# Altium PCB LKS_Motor_0313.PcbDoc (part 2 of 4) (continued)
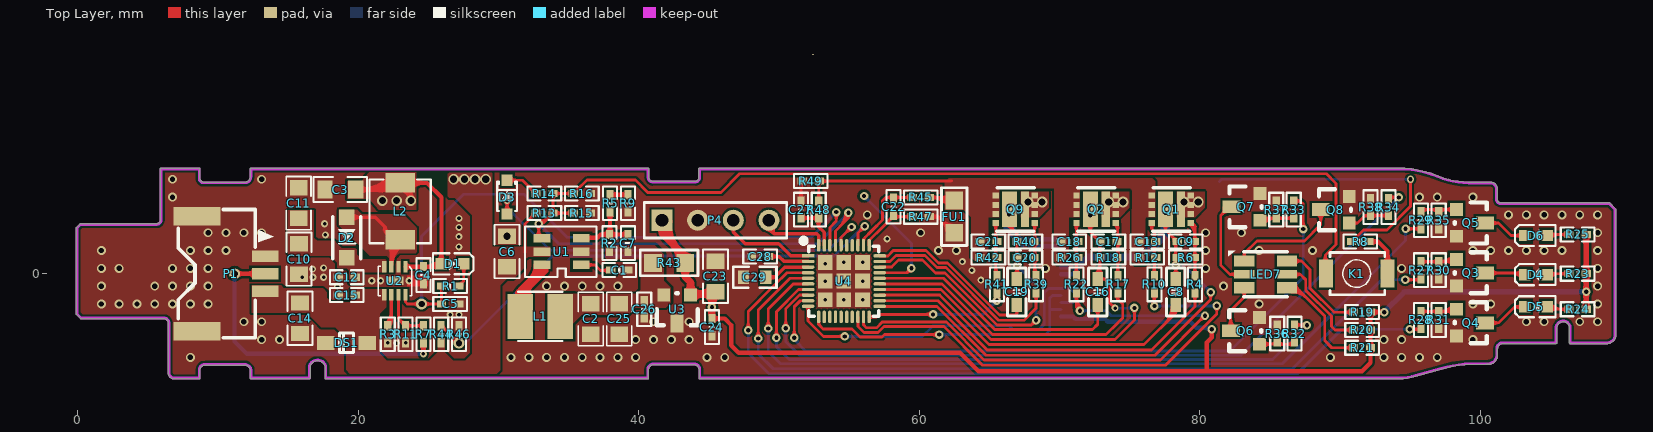
[diagram p0: Top Layer view]
## Nets (pads, with @x,y where several pads share a name; then routed paths per layer and width w, separated by ;. In a path a pad name is that pad's centre, name@x,y a point inside that pad or via, vN(x,y) a via of type N, cw(c..) or ccw(c..) an arc to the next point about the centre after c; other vN are vias at no path point) (continued)
NetC7_1: C7.1 R2.2 R5.1 U1.3 | length 10.5
  Top Layer w0.3: U1.3@35.893,2.525 35.934,2.565 36.678,2.565 ; R2.2@37.948,2.794 R5.1@37.948,4.369 ; C7.1@39.192,2.794 38.608,2.794 37.262,2.794 37.033,2.565 ; U1.3@36.299,2.419 cw(c36.653,2.065) 36.653,2.565 ; U1.3@36.299,2.419 cw(c36.653,2.065) 36.653,2.565 ; U1.3@36.299,2.419 cw(c36.653,2.065) 36.653,2.565 ; U1.3@36.299,2.419 cw(c36.653,2.065) 36.653,2.565 ; 36.678,2.565 37.033,2.565 ; 36.678,2.565 37.033,2.565 ; 37.653,2.794 ccw(c37.653,3.051) R2.2@37.834,2.869 ; 37.653,2.794 ccw(c37.653,3.051) R2.2@37.834,2.869 ; 37.653,2.794 ccw(c37.653,3.051) R2.2@37.834,2.869 ; 37.653,2.794 ccw(c37.653,3.051) R2.2@37.834,2.869 ; R2.2@37.834,2.945 ccw(c37.561,3.218) 37.948,3.218 ; R2.2@37.834,2.945 ccw(c37.561,3.218) 37.948,3.218 ; R2.2@37.834,2.945 ccw(c37.561,3.218) 37.948,3.218 ; R2.2@37.834,2.945 ccw(c37.561,3.218) 37.948,3.218 ; R2.2@37.982,2.869 ccw(c38.163,3.051) 38.163,2.794 ; R2.2@37.982,2.869 ccw(c38.163,3.051) 38.163,2.794 ; R2.2@37.982,2.869 ccw(c38.163,3.051) 38.163,2.794 ; R2.2@37.982,2.869 ccw(c38.163,3.051) 38.163,2.794 ; 38.963,2.794 ccw(c38.963,3.051) C7.1@39.144,2.869 ; 38.963,2.794 ccw(c38.963,3.051) C7.1@39.144,2.869 ; 38.963,2.794 ccw(c38.963,3.051) C7.1@39.144,2.869 ; 38.963,2.794 ccw(c38.963,3.051) C7.1@39.144,2.869
NetC9_2: C9.2 Q1.1 R4.1 R6.1 | length 23.5
  Top Layer w0.2: Q1.1@79.35,3.708 79.65,3.408 R4.1@79.65,-0.152 ; Q1.1@79.28,3.526 cw(c78.389,2.635) 79.65,2.635 ; Q1.1@79.28,3.526 cw(c78.389,2.635) 79.65,2.635 ; Q1.1@79.28,3.526 cw(c78.389,2.635) 79.65,2.635 ; Q1.1@79.28,3.526 cw(c78.389,2.635) 79.65,2.635 ; Q1.1@79.367,3.493 cw(c79.384,3.055) 79.693,3.365 ; Q1.1@79.367,3.493 cw(c79.384,3.055) 79.693,3.365 ; Q1.1@79.367,3.493 cw(c79.384,3.055) 79.693,3.365 ; Q1.1@79.367,3.493 cw(c79.384,3.055) 79.693,3.365 ; Q1.1@79.422,3.668 cw(c78.872,3.118) 79.65,3.118 ; Q1.1@79.422,3.668 cw(c78.872,3.118) 79.65,3.118 ; Q1.1@79.422,3.668 cw(c78.872,3.118) 79.65,3.118 ; Q1.1@79.422,3.668 cw(c78.872,3.118) 79.65,3.118 ; R4.1@79.541,0.033 ccw(c79.278,0.296) 79.65,0.296 ; R4.1@79.541,0.033 ccw(c79.278,0.296) 79.65,0.296 ; R4.1@79.541,0.033 ccw(c79.278,0.296) 79.65,0.296 ; R4.1@79.541,0.033 ccw(c79.278,0.296) 79.65,0.296 ; R6.1@79.571,1.034 cw(c79.381,0.844) 79.65,0.844 ; R6.1@79.571,1.034 cw(c79.381,0.844) 79.65,0.844 ; R6.1@79.571,1.034 cw(c79.381,0.844) 79.65,0.844 ; R6.1@79.571,1.034 cw(c79.381,0.844) 79.65,0.844 ; R6.1@79.571,1.252 ccw(c79.381,1.442) 79.65,1.442 ; R6.1@79.571,1.252 ccw(c79.381,1.442) 79.65,1.442 ; R6.1@79.571,1.252 ccw(c79.381,1.442) 79.65,1.442 ; R6.1@79.571,1.252 ccw(c79.381,1.442) 79.65,1.442 ; C9.2@79.571,2.177 cw(c79.381,1.987) 79.65,1.987 ; C9.2@79.571,2.177 cw(c79.381,1.987) 79.65,1.987 ; C9.2@79.571,2.177 cw(c79.381,1.987) 79.65,1.987 ; C9.2@79.571,2.177 cw(c79.381,1.987) 79.65,1.987 ; C9.2@79.571,2.395 ccw(c79.381,2.585) 79.65,2.585 ; C9.2@79.571,2.395 ccw(c79.381,2.585) 79.65,2.585 ; C9.2@79.571,2.395 ccw(c79.381,2.585) 79.65,2.585 ; C9.2@79.571,2.395 ccw(c79.381,2.585) 79.65,2.585 ; 79.65,0.296 ccw(c80.021,0.296) R4.1@79.758,0.033 ; 79.65,0.296 ccw(c80.021,0.296) R4.1@79.758,0.033 ; 79.65,0.296 ccw(c80.021,0.296) R4.1@79.758,0.033 ; 79.65,0.296 ccw(c80.021,0.296) R4.1@79.758,0.033 ; 79.65,0.698 cw(c80.125,0.698) R6.1@79.789,1.034 ; 79.65,0.698 cw(c80.125,0.698) R6.1@79.789,1.034 ; 79.65,0.698 cw(c80.125,0.698) R6.1@79.789,1.034 ; 79.65,0.698 cw(c80.125,0.698) R6.1@79.789,1.034 ; 79.65,1.588 ccw(c80.125,1.588) R6.1@79.789,1.252 ; 79.65,1.588 ccw(c80.125,1.588) R6.1@79.789,1.252 ; 79.65,1.588 ccw(c80.125,1.588) R6.1@79.789,1.252 ; 79.65,1.588 ccw(c80.125,1.588) R6.1@79.789,1.252 ; 79.65,1.841 cw(c80.125,1.841) C9.2@79.789,2.177 ; 79.65,1.841 cw(c80.125,1.841) C9.2@79.789,2.177 ; 79.65,1.841 cw(c80.125,1.841) C9.2@79.789,2.177 ; 79.65,1.841 cw(c80.125,1.841) C9.2@79.789,2.177 ; 79.65,2.731 ccw(c80.125,2.731) C9.2@79.789,2.395 ; 79.65,2.731 ccw(c80.125,2.731) C9.2@79.789,2.395 ; 79.65,2.731 ccw(c80.125,2.731) C9.2@79.789,2.395 ; 79.65,2.731 ccw(c80.125,2.731) C9.2@79.789,2.395
NetC10_2: C10.2 C11.2 C12.2 D2.2 U2.4
NetC13_2: C13.2 Q1.8 R10.1 R12.1 | length 17.4
  Top Layer w0.2: Q1.8@76.566,3.708 76.566,3.19 76.756,3 76.756,2.286 R10.1@76.756,-0.152 ; Q1.8@76.484,3.526 cw(c76.286,3.329) 76.566,3.329 ; Q1.8@76.484,3.526 cw(c76.286,3.329) 76.566,3.329 ; Q1.8@76.484,3.526 cw(c76.286,3.329) 76.566,3.329 ; Q1.8@76.484,3.526 cw(c76.286,3.329) 76.566,3.329 ; 76.566,3.329 cw(c76.846,3.329) Q1.8@76.648,3.526 ; 76.566,3.329 cw(c76.846,3.329) Q1.8@76.648,3.526 ; 76.566,3.329 cw(c76.846,3.329) Q1.8@76.648,3.526 ; 76.566,3.329 cw(c76.846,3.329) Q1.8@76.648,3.526 ; R10.1@76.647,0.033 ccw(c76.384,0.296) 76.756,0.296 ; R10.1@76.647,0.033 ccw(c76.384,0.296) 76.756,0.296 ; R10.1@76.647,0.033 ccw(c76.384,0.296) 76.756,0.296 ; R10.1@76.647,0.033 ccw(c76.384,0.296) 76.756,0.296 ; R12.1@76.672,1.034 cw(c76.471,0.833) 76.756,0.833 ; R12.1@76.672,1.034 cw(c76.471,0.833) 76.756,0.833 ; R12.1@76.672,1.034 cw(c76.471,0.833) 76.756,0.833 ; R12.1@76.672,1.034 cw(c76.471,0.833) 76.756,0.833 ; R12.1@76.672,1.252 ccw(c76.471,1.453) 76.756,1.453 ; R12.1@76.672,1.252 ccw(c76.471,1.453) 76.756,1.453 ; R12.1@76.672,1.252 ccw(c76.471,1.453) 76.756,1.453 ; R12.1@76.672,1.252 ccw(c76.471,1.453) 76.756,1.453 ; C13.2@76.672,2.177 cw(c76.471,1.976) 76.756,1.976 ; C13.2@76.672,2.177 cw(c76.471,1.976) 76.756,1.976 ; C13.2@76.672,2.177 cw(c76.471,1.976) 76.756,1.976 ; C13.2@76.672,2.177 cw(c76.471,1.976) 76.756,1.976 ; C13.2@76.672,2.395 ccw(c76.471,2.596) 76.756,2.596 ; C13.2@76.672,2.395 ccw(c76.471,2.596) 76.756,2.596 ; C13.2@76.672,2.395 ccw(c76.471,2.596) 76.756,2.596 ; C13.2@76.672,2.395 ccw(c76.471,2.596) 76.756,2.596 ; 76.756,0.296 ccw(c77.127,0.296) R10.1@76.864,0.033 ; 76.756,0.296 ccw(c77.127,0.296) R10.1@76.864,0.033 ; 76.756,0.296 ccw(c77.127,0.296) R10.1@76.864,0.033 ; 76.756,0.296 ccw(c77.127,0.296) R10.1@76.864,0.033 ; 76.756,0.71 cw(c77.214,0.71) R12.1@76.89,1.034 ; 76.756,0.71 cw(c77.214,0.71) R12.1@76.89,1.034 ; 76.756,0.71 cw(c77.214,0.71) R12.1@76.89,1.034 ; 76.756,0.71 cw(c77.214,0.71) R12.1@76.89,1.034 ; 76.756,1.576 ccw(c77.214,1.576) R12.1@76.89,1.252 ; 76.756,1.576 ccw(c77.214,1.576) R12.1@76.89,1.252 ; 76.756,1.576 ccw(c77.214,1.576) R12.1@76.89,1.252 ; 76.756,1.576 ccw(c77.214,1.576) R12.1@76.89,1.252 ; 76.756,1.853 cw(c77.214,1.853) C13.2@76.89,2.177 ; 76.756,1.853 cw(c77.214,1.853) C13.2@76.89,2.177 ; 76.756,1.853 cw(c77.214,1.853) C13.2@76.89,2.177 ; 76.756,1.853 cw(c77.214,1.853) C13.2@76.89,2.177 ; 76.756,2.719 ccw(c77.214,2.719) C13.2@76.89,2.395 ; 76.756,2.719 ccw(c77.214,2.719) C13.2@76.89,2.395 ; 76.756,2.719 ccw(c77.214,2.719) C13.2@76.89,2.395 ; 76.756,2.719 ccw(c77.214,2.719) C13.2@76.89,2.395
NetC17_2: C17.2 Q2.1 R17.1 R18.1 | length 18
  Top Layer w0.2: Q2.1@73.99,3.708 74.144,3.554 R17.1@74.144,-0.152 ; Q2.1@73.921,3.526 cw(c73.382,2.987) 74.144,2.987 ; Q2.1@73.921,3.526 cw(c73.382,2.987) 74.144,2.987 ; Q2.1@73.921,3.526 cw(c73.382,2.987) 74.144,2.987 ; Q2.1@73.921,3.526 cw(c73.382,2.987) 74.144,2.987 ; R18.1@74.059,1.034 cw(c73.854,0.829) 74.144,0.829 ; R18.1@74.059,1.034 cw(c73.854,0.829) 74.144,0.829 ; R18.1@74.059,1.034 cw(c73.854,0.829) 74.144,0.829 ; R18.1@74.059,1.034 cw(c73.854,0.829) 74.144,0.829 ; R18.1@74.059,1.252 ccw(c73.854,1.457) 74.144,1.457 ; R18.1@74.059,1.252 ccw(c73.854,1.457) 74.144,1.457 ; R18.1@74.059,1.252 ccw(c73.854,1.457) 74.144,1.457 ; R18.1@74.059,1.252 ccw(c73.854,1.457) 74.144,1.457 ; C17.2@74.059,2.177 cw(c73.854,1.972) 74.144,1.972 ; C17.2@74.059,2.177 cw(c73.854,1.972) 74.144,1.972 ; C17.2@74.059,2.177 cw(c73.854,1.972) 74.144,1.972 ; C17.2@74.059,2.177 cw(c73.854,1.972) 74.144,1.972 ; C17.2@74.059,2.395 ccw(c73.854,2.6) 74.144,2.6 ; C17.2@74.059,2.395 ccw(c73.854,2.6) 74.144,2.6 ; C17.2@74.059,2.395 ccw(c73.854,2.6) 74.144,2.6 ; C17.2@74.059,2.395 ccw(c73.854,2.6) 74.144,2.6 ; R17.1@74.061,0.033 ccw(c73.859,0.234) 74.144,0.234 ; R17.1@74.061,0.033 ccw(c73.859,0.234) 74.144,0.234 ; R17.1@74.061,0.033 ccw(c73.859,0.234) 74.144,0.234 ; R17.1@74.061,0.033 ccw(c73.859,0.234) 74.144,0.234 ; 74.144,0.357 ccw(c74.603,0.357) R17.1@74.278,0.033 ; 74.144,0.357 ccw(c74.603,0.357) R17.1@74.278,0.033 ; 74.144,0.357 ccw(c74.603,0.357) R17.1@74.278,0.033 ; 74.144,0.357 ccw(c74.603,0.357) R17.1@74.278,0.033 ; 74.144,0.714 cw(c74.597,0.714) R18.1@74.277,1.034 ; 74.144,0.714 cw(c74.597,0.714) R18.1@74.277,1.034 ; 74.144,0.714 cw(c74.597,0.714) R18.1@74.277,1.034 ; 74.144,0.714 cw(c74.597,0.714) R18.1@74.277,1.034 ; 74.144,1.572 ccw(c74.597,1.572) R18.1@74.277,1.252 ; 74.144,1.572 ccw(c74.597,1.572) R18.1@74.277,1.252 ; 74.144,1.572 ccw(c74.597,1.572) R18.1@74.277,1.252 ; 74.144,1.572 ccw(c74.597,1.572) R18.1@74.277,1.252 ; 74.144,1.857 cw(c74.597,1.857) C17.2@74.277,2.177 ; 74.144,1.857 cw(c74.597,1.857) C17.2@74.277,2.177 ; 74.144,1.857 cw(c74.597,1.857) C17.2@74.277,2.177 ; 74.144,1.857 cw(c74.597,1.857) C17.2@74.277,2.177 ; 74.144,2.715 ccw(c74.597,2.715) C17.2@74.277,2.395 ; 74.144,2.715 ccw(c74.597,2.715) C17.2@74.277,2.395 ; 74.144,2.715 ccw(c74.597,2.715) C17.2@74.277,2.395 ; 74.144,2.715 ccw(c74.597,2.715) C17.2@74.277,2.395
NetC18_2: C18.2 Q2.8 R22.1 R26.1 | length 17.3
  Top Layer w0.2: R22.1@71.196,-0.152 71.196,2.286 71.196,3.698 Q2.8@71.207,3.708 ; R22.1@71.087,0.033 ccw(c70.824,0.296) 71.196,0.296 ; R22.1@71.087,0.033 ccw(c70.824,0.296) 71.196,0.296 ; R22.1@71.087,0.033 ccw(c70.824,0.296) 71.196,0.296 ; R22.1@71.087,0.033 ccw(c70.824,0.296) 71.196,0.296 ; R26.1@71.113,1.034 cw(c70.911,0.833) 71.196,0.833 ; R26.1@71.113,1.034 cw(c70.911,0.833) 71.196,0.833 ; R26.1@71.113,1.034 cw(c70.911,0.833) 71.196,0.833 ; R26.1@71.113,1.034 cw(c70.911,0.833) 71.196,0.833 ; R26.1@71.113,1.252 ccw(c70.911,1.453) 71.196,1.453 ; R26.1@71.113,1.252 ccw(c70.911,1.453) 71.196,1.453 ; R26.1@71.113,1.252 ccw(c70.911,1.453) 71.196,1.453 ; R26.1@71.113,1.252 ccw(c70.911,1.453) 71.196,1.453 ; C18.2@71.113,2.177 cw(c70.911,1.976) 71.196,1.976 ; C18.2@71.113,2.177 cw(c70.911,1.976) 71.196,1.976 ; C18.2@71.113,2.177 cw(c70.911,1.976) 71.196,1.976 ; C18.2@71.113,2.177 cw(c70.911,1.976) 71.196,1.976 ; C18.2@71.113,2.395 ccw(c70.911,2.596) 71.196,2.596 ; C18.2@71.113,2.395 ccw(c70.911,2.596) 71.196,2.596 ; C18.2@71.113,2.395 ccw(c70.911,2.596) 71.196,2.596 ; C18.2@71.113,2.395 ccw(c70.911,2.596) 71.196,2.596 ; Q2.8@71.112,3.526 cw(c70.909,3.323) 71.196,3.323 ; Q2.8@71.112,3.526 cw(c70.909,3.323) 71.196,3.323 ; Q2.8@71.112,3.526 cw(c70.909,3.323) 71.196,3.323 ; Q2.8@71.112,3.526 cw(c70.909,3.323) 71.196,3.323 ; 71.196,0.296 ccw(c71.568,0.296) R22.1@71.305,0.033 ; 71.196,0.296 ccw(c71.568,0.296) R22.1@71.305,0.033 ; 71.196,0.296 ccw(c71.568,0.296) R22.1@71.305,0.033 ; 71.196,0.296 ccw(c71.568,0.296) R22.1@71.305,0.033 ; 71.196,0.71 cw(c71.655,0.71) R26.1@71.33,1.034 ; 71.196,0.71 cw(c71.655,0.71) R26.1@71.33,1.034 ; 71.196,0.71 cw(c71.655,0.71) R26.1@71.33,1.034 ; 71.196,0.71 cw(c71.655,0.71) R26.1@71.33,1.034 ; 71.196,1.576 ccw(c71.655,1.576) R26.1@71.33,1.252 ; 71.196,1.576 ccw(c71.655,1.576) R26.1@71.33,1.252 ; 71.196,1.576 ccw(c71.655,1.576) R26.1@71.33,1.252 ; 71.196,1.576 ccw(c71.655,1.576) R26.1@71.33,1.252 ; 71.196,1.853 cw(c71.655,1.853) C18.2@71.33,2.177 ; 71.196,1.853 cw(c71.655,1.853) C18.2@71.33,2.177 ; 71.196,1.853 cw(c71.655,1.853) C18.2@71.33,2.177 ; 71.196,1.853 cw(c71.655,1.853) C18.2@71.33,2.177 ; 71.196,2.719 ccw(c71.655,2.719) C18.2@71.33,2.395 ; 71.196,2.719 ccw(c71.655,2.719) C18.2@71.33,2.395 ; 71.196,2.719 ccw(c71.655,2.719) C18.2@71.33,2.395 ; 71.196,2.719 ccw(c71.655,2.719) C18.2@71.33,2.395 ; 71.196,3.334 cw(c71.469,3.334) Q2.8@71.276,3.526 ; 71.196,3.334 cw(c71.469,3.334) Q2.8@71.276,3.526 ; 71.196,3.334 cw(c71.469,3.334) Q2.8@71.276,3.526 ; 71.196,3.334 cw(c71.469,3.334) Q2.8@71.276,3.526
NetC20_2: C20.2 Q9.1 R39.1 R40.1 | length 17.2
  Top Layer w0.2: Q9.1@68.224,3.683 68.224,-0.051 R39.1@68.326,-0.152 ; C20.2@68.141,1.034 cw(c67.939,0.833) 68.224,0.833 ; C20.2@68.141,1.034 cw(c67.939,0.833) 68.224,0.833 ; C20.2@68.141,1.034 cw(c67.939,0.833) 68.224,0.833 ; C20.2@68.141,1.034 cw(c67.939,0.833) 68.224,0.833 ; C20.2@68.141,1.252 ccw(c67.939,1.453) 68.224,1.453 ; C20.2@68.141,1.252 ccw(c67.939,1.453) 68.224,1.453 ; C20.2@68.141,1.252 ccw(c67.939,1.453) 68.224,1.453 ; C20.2@68.141,1.252 ccw(c67.939,1.453) 68.224,1.453 ; R40.1@68.141,2.177 cw(c67.939,1.976) 68.224,1.976 ; R40.1@68.141,2.177 cw(c67.939,1.976) 68.224,1.976 ; R40.1@68.141,2.177 cw(c67.939,1.976) 68.224,1.976 ; R40.1@68.141,2.177 cw(c67.939,1.976) 68.224,1.976 ; R40.1@68.141,2.395 ccw(c67.939,2.596) 68.224,2.596 ; R40.1@68.141,2.395 ccw(c67.939,2.596) 68.224,2.596 ; R40.1@68.141,2.395 ccw(c67.939,2.596) 68.224,2.596 ; R40.1@68.141,2.395 ccw(c67.939,2.596) 68.224,2.596 ; Q9.1@68.142,3.526 cw(c67.945,3.329) 68.224,3.329 ; Q9.1@68.142,3.526 cw(c67.945,3.329) 68.224,3.329 ; Q9.1@68.142,3.526 cw(c67.945,3.329) 68.224,3.329 ; Q9.1@68.142,3.526 cw(c67.945,3.329) 68.224,3.329 ; 68.224,0.541 ccw(c68.943,0.541) R39.1@68.435,0.033 ; 68.224,0.541 ccw(c68.943,0.541) R39.1@68.435,0.033 ; 68.224,0.541 ccw(c68.943,0.541) R39.1@68.435,0.033 ; 68.224,0.541 ccw(c68.943,0.541) R39.1@68.435,0.033 ; 68.224,0.71 cw(c68.683,0.71) C20.2@68.359,1.034 ; 68.224,0.71 cw(c68.683,0.71) C20.2@68.359,1.034 ; 68.224,0.71 cw(c68.683,0.71) C20.2@68.359,1.034 ; 68.224,0.71 cw(c68.683,0.71) C20.2@68.359,1.034 ; 68.224,1.576 ccw(c68.683,1.576) C20.2@68.359,1.252 ; 68.224,1.576 ccw(c68.683,1.576) C20.2@68.359,1.252 ; 68.224,1.576 ccw(c68.683,1.576) C20.2@68.359,1.252 ; 68.224,1.576 ccw(c68.683,1.576) C20.2@68.359,1.252 ; 68.224,1.853 cw(c68.683,1.853) R40.1@68.359,2.177 ; 68.224,1.853 cw(c68.683,1.853) R40.1@68.359,2.177 ; 68.224,1.853 cw(c68.683,1.853) R40.1@68.359,2.177 ; 68.224,1.853 cw(c68.683,1.853) R40.1@68.359,2.177 ; 68.224,2.719 ccw(c68.683,2.719) R40.1@68.359,2.395 ; 68.224,2.719 ccw(c68.683,2.719) R40.1@68.359,2.395 ; 68.224,2.719 ccw(c68.683,2.719) R40.1@68.359,2.395 ; 68.224,2.719 ccw(c68.683,2.719) R40.1@68.359,2.395 ; 68.224,3.329 cw(c68.504,3.329) Q9.1@68.306,3.526 ; 68.224,3.329 cw(c68.504,3.329) Q9.1@68.306,3.526 ; 68.224,3.329 cw(c68.504,3.329) Q9.1@68.306,3.526 ; 68.224,3.329 cw(c68.504,3.329) Q9.1@68.306,3.526
NetC21_2: C21.2 Q9.8 R41.1 R42.1 | length 17.1
  Top Layer w0.2: R41.1@65.441,-0.061 Q9.8@65.441,3.683 ; R41.1@65.532,-0.152 R41.1@65.532,-0.061 ; R42.1@65.347,1.034 cw(c65.12,0.807) 65.441,0.807 ; R42.1@65.347,1.034 cw(c65.12,0.807) 65.441,0.807 ; R42.1@65.347,1.034 cw(c65.12,0.807) 65.441,0.807 ; R42.1@65.347,1.034 cw(c65.12,0.807) 65.441,0.807 ; R42.1@65.347,1.252 ccw(c65.12,1.479) 65.441,1.479 ; R42.1@65.347,1.252 ccw(c65.12,1.479) 65.441,1.479 ; R42.1@65.347,1.252 ccw(c65.12,1.479) 65.441,1.479 ; R42.1@65.347,1.252 ccw(c65.12,1.479) 65.441,1.479 ; C21.2@65.347,2.177 cw(c65.12,1.95) 65.441,1.95 ; C21.2@65.347,2.177 cw(c65.12,1.95) 65.441,1.95 ; C21.2@65.347,2.177 cw(c65.12,1.95) 65.441,1.95 ; C21.2@65.347,2.177 cw(c65.12,1.95) 65.441,1.95 ; C21.2@65.347,2.395 ccw(c65.12,2.622) 65.441,2.622 ; C21.2@65.347,2.395 ccw(c65.12,2.622) 65.441,2.622 ; C21.2@65.347,2.395 ccw(c65.12,2.622) 65.441,2.622 ; C21.2@65.347,2.395 ccw(c65.12,2.622) 65.441,2.622 ; Q9.8@65.359,3.526 cw(c65.161,3.329) 65.441,3.329 ; Q9.8@65.359,3.526 cw(c65.161,3.329) 65.441,3.329 ; Q9.8@65.359,3.526 cw(c65.161,3.329) 65.441,3.329 ; Q9.8@65.359,3.526 cw(c65.161,3.329) 65.441,3.329 ; 65.441,0.515 ccw(c66.124,0.515) R41.1@65.641,0.033 ; 65.441,0.515 ccw(c66.124,0.515) R41.1@65.641,0.033 ; 65.441,0.515 ccw(c66.124,0.515) R41.1@65.641,0.033 ; 65.441,0.515 ccw(c66.124,0.515) R41.1@65.641,0.033 ; 65.441,0.735 cw(c65.863,0.735) R42.1@65.565,1.034 ; 65.441,0.735 cw(c65.863,0.735) R42.1@65.565,1.034 ; 65.441,0.735 cw(c65.863,0.735) R42.1@65.565,1.034 ; 65.441,0.735 cw(c65.863,0.735) R42.1@65.565,1.034 ; 65.441,1.551 ccw(c65.863,1.551) R42.1@65.565,1.252 ; 65.441,1.551 ccw(c65.863,1.551) R42.1@65.565,1.252 ; 65.441,1.551 ccw(c65.863,1.551) R42.1@65.565,1.252 ; 65.441,1.551 ccw(c65.863,1.551) R42.1@65.565,1.252 ; 65.441,1.878 cw(c65.863,1.878) C21.2@65.565,2.177 ; 65.441,1.878 cw(c65.863,1.878) C21.2@65.565,2.177 ; 65.441,1.878 cw(c65.863,1.878) C21.2@65.565,2.177 ; 65.441,1.878 cw(c65.863,1.878) C21.2@65.565,2.177 ; 65.441,2.694 ccw(c65.863,2.694) C21.2@65.565,2.395 ; 65.441,2.694 ccw(c65.863,2.694) C21.2@65.565,2.395 ; 65.441,2.694 ccw(c65.863,2.694) C21.2@65.565,2.395 ; 65.441,2.694 ccw(c65.863,2.694) C21.2@65.565,2.395 ; 65.441,3.329 cw(c65.721,3.329) Q9.8@65.523,3.526 ; 65.441,3.329 cw(c65.721,3.329) Q9.8@65.523,3.526 ; 65.441,3.329 cw(c65.721,3.329) Q9.8@65.523,3.526 ; 65.441,3.329 cw(c65.721,3.329) Q9.8@65.523,3.526
NetC28_1: C28.1 U4.2 | length 4.9
  Top Layer w0.25: C28.1@49.253,1.22 50.012,1.22 50.362,0.87 U4.2@52.07,0.87 ; C28.1@49.421,1.129 cw(c49.641,0.909) 49.641,1.22 ; C28.1@49.421,1.129 cw(c49.641,0.909) 49.641,1.22 ; C28.1@49.421,1.129 cw(c49.641,0.909) 49.641,1.22 ; C28.1@49.421,1.129 cw(c49.641,0.909) 49.641,1.22 ; C28.1@49.421,1.311 ccw(c49.641,1.531) 49.641,1.22 ; C28.1@49.421,1.311 ccw(c49.641,1.531) 49.641,1.22 ; C28.1@49.421,1.311 ccw(c49.641,1.531) 49.641,1.22 ; C28.1@49.421,1.311 ccw(c49.641,1.531) 49.641,1.22
NetC29_2: C29.2 U4.3 | length 7.1
  Top Layer w0.2: C29.2@49.055,-0.254 C29.2@49.403,-0.254
  Top Layer w0.25: C29.2@49.403,-0.254 49.682,-0.254 ; U4.3@52.07,0.47 50.406,0.47 49.682,-0.254 ; C29.2@49.257,-0.44 cw(c49.682,-0.832) 49.682,-0.254 ; C29.2@49.257,-0.44 cw(c49.682,-0.832) 49.682,-0.254 ; C29.2@49.257,-0.44 cw(c49.682,-0.832) 49.682,-0.254 ; C29.2@49.257,-0.44 cw(c49.682,-0.832) 49.682,-0.254 ; C29.2@49.257,-0.068 ccw(c49.682,0.324) 49.682,-0.254 ; C29.2@49.257,-0.068 ccw(c49.682,0.324) 49.682,-0.254 ; C29.2@49.257,-0.068 ccw(c49.682,0.324) 49.682,-0.254 ; C29.2@49.257,-0.068 ccw(c49.682,0.324) 49.682,-0.254
NetD1_2: D1.2 R1.2 | length 7.9
  Top Layer w0.2: R1.2@27.153,-0.889 27.229,-0.889 27.383,-0.735 27.383,-0.659 27.52,-0.521 ; D1.2@27.52,0.715 27.52,-0.521 ; D1.2@27.308,0.502 cw(c26.796,-0.01) 27.52,-0.01 ; D1.2@27.308,0.502 cw(c26.796,-0.01) 27.52,-0.01 ; D1.2@27.308,0.502 cw(c26.796,-0.01) 27.52,-0.01 ; D1.2@27.308,0.502 cw(c26.796,-0.01) 27.52,-0.01 ; R1.2@27.383,-0.881 cw(c27.854,-0.855) 27.52,-0.521 ; R1.2@27.383,-0.881 cw(c27.854,-0.855) 27.52,-0.521 ; R1.2@27.383,-0.881 cw(c27.854,-0.855) 27.52,-0.521 ; R1.2@27.383,-0.881 cw(c27.854,-0.855) 27.52,-0.521 ; 27.52,-0.01 cw(c28.245,-0.01) D1.2@27.732,0.502 ; 27.52,-0.01 cw(c28.245,-0.01) D1.2@27.732,0.502 ; 27.52,-0.01 cw(c28.245,-0.01) D1.2@27.732,0.502 ; 27.52,-0.01 cw(c28.245,-0.01) D1.2@27.732,0.502
NetD2_1: D2.1 L2.1 U2.3 | length 32.5
  Top Layer w0.254: D2.1@19.171,4.022 21.204,4.022 21.914,3.312 21.914,2.99 22.487,2.417 22.809,2.417 22.356,1.964 U2.3@22.356,0.492 ; D2.1@19.47,3.723 cw(c20.192,3.001) 20.192,4.022 ; D2.1@19.47,3.723 cw(c20.192,3.001) 20.192,4.022 ; D2.1@19.47,3.723 cw(c20.192,3.001) 20.192,4.022 ; D2.1@19.47,3.723 cw(c20.192,3.001) 20.192,4.022 ; D2.1@19.47,4.321 ccw(c20.192,5.043) 20.192,4.022 ; D2.1@19.47,4.321 ccw(c20.192,5.043) 20.192,4.022 ; D2.1@19.47,4.321 ccw(c20.192,5.043) 20.192,4.022 ; D2.1@19.47,4.321 ccw(c20.192,5.043) 20.192,4.022 ; L2.1@21.984,2.92 cw(c21.732,2.668) L2.1@22.075,2.572 ; L2.1@21.984,2.92 ccw(c22.162,3.098) L2.1@22.304,2.89 ; L2.1@21.984,2.92 cw(c21.732,2.668) L2.1@22.075,2.572 ; L2.1@21.984,2.92 ccw(c22.162,3.098) L2.1@22.304,2.89 ; L2.1@21.984,2.92 cw(c21.732,2.668) L2.1@22.075,2.572 ; L2.1@21.984,2.92 ccw(c22.162,3.098) L2.1@22.304,2.89 ; L2.1@21.984,2.92 cw(c21.732,2.668) L2.1@22.075,2.572 ; L2.1@21.984,2.92 ccw(c22.162,3.098) L2.1@22.304,2.89 ; L2.1@22.222,2.012 cw(c21.898,1.688) 22.356,1.688 ; L2.1@22.222,2.012 cw(c21.898,1.688) 22.356,1.688 ; L2.1@22.222,2.012 cw(c21.898,1.688) 22.356,1.688 ; L2.1@22.222,2.012 cw(c21.898,1.688) 22.356,1.688 ; U2.3@22.356,0.473 cw(c24.444,0.473) L2.1@23.018,1.998 ; U2.3@22.356,0.473 cw(c24.444,0.473) L2.1@23.018,1.998 ; U2.3@22.356,0.473 cw(c24.444,0.473) L2.1@23.018,1.998 ; U2.3@22.356,0.473 cw(c24.444,0.473) L2.1@23.018,1.998 ; 22.356,1.058 cw(c23.897,1.058) L2.1@22.845,2.184 ; 22.356,1.058 cw(c23.897,1.058) L2.1@22.845,2.184 ; 22.356,1.058 cw(c23.897,1.058) L2.1@22.845,2.184 ; 22.356,1.058 cw(c23.897,1.058) L2.1@22.845,2.184 ; 22.356,1.643 cw(c23.35,1.643) L2.1@22.671,2.37 ; 22.356,1.643 cw(c23.35,1.643) L2.1@22.671,2.37 ; 22.356,1.643 cw(c23.35,1.643) L2.1@22.671,2.37 ; 22.356,1.643 cw(c23.35,1.643) L2.1@22.671,2.37
NetD3_2: D3.2 R14.1 | length 8.8
  Top Layer w0.2: D3.2@30.607,6.661 31.718,6.661 32.434,5.945 32.434,5.869 32.588,5.715 R14.1@32.664,5.715 ; D3.2@30.819,6.449 cw(c31.331,5.937) 31.331,6.661 ; D3.2@30.819,6.449 cw(c31.331,5.937) 31.331,6.661 ; D3.2@30.819,6.449 cw(c31.331,5.937) 31.331,6.661 ; D3.2@30.819,6.449 cw(c31.331,5.937) 31.331,6.661 ; D3.2@30.819,6.873 ccw(c31.331,7.385) 31.331,6.661 ; D3.2@30.819,6.873 ccw(c31.331,7.385) 31.331,6.661 ; D3.2@30.819,6.873 ccw(c31.331,7.385) 31.331,6.661 ; D3.2@30.819,6.873 ccw(c31.331,7.385) 31.331,6.661 ; 32.271,6.108 cw(c31.878,5.715) R14.1@32.434,5.715 ; 32.271,6.108 cw(c31.878,5.715) R14.1@32.434,5.715 ; 32.271,6.108 cw(c31.878,5.715) R14.1@32.434,5.715 ; 32.271,6.108 cw(c31.878,5.715) R14.1@32.434,5.715
NetD4_1: D4.1 R23.1 | length 9.9
  Top Layer w0.2: D4.1@104.834,0 R23.1@106.324,0 ; D4.1@104.832,-0.143 cw(c105.179,-0.49) 105.179,0 ; D4.1@104.832,-0.143 cw(c105.179,-0.49) 105.179,0 ; D4.1@104.832,-0.143 cw(c105.179,-0.49) 105.179,0 ; D4.1@104.832,-0.143 cw(c105.179,-0.49) 105.179,0 ; D4.1@104.974,-0.285 cw(c105.662,-0.973) 105.662,0 ; D4.1@104.974,-0.285 cw(c105.662,-0.973) 105.662,0 ; D4.1@104.974,-0.285 cw(c105.662,-0.973) 105.662,0 ; D4.1@104.974,-0.285 cw(c105.662,-0.973) 105.662,0 ; D4.1@104.974,0.139 ccw(c105.31,0.476) 105.31,0 ; D4.1@104.974,0.139 ccw(c105.31,0.476) 105.31,0 ; D4.1@104.974,0.139 ccw(c105.31,0.476) 105.31,0 ; D4.1@104.974,0.139 ccw(c105.31,0.476) 105.31,0 ; 105.876,0 cw(c105.876,-0.372) R23.1@106.139,-0.109 ; 105.876,0 ccw(c105.876,0.372) R23.1@106.139,0.109 ; 105.876,0 cw(c105.876,-0.372) R23.1@106.139,-0.109 ; 105.876,0 ccw(c105.876,0.372) R23.1@106.139,0.109 ; 105.876,0 cw(c105.876,-0.372) R23.1@106.139,-0.109 ; 105.876,0 ccw(c105.876,0.372) R23.1@106.139,0.109 ; 105.876,0 cw(c105.876,-0.372) R23.1@106.139,-0.109 ; 105.876,0 ccw(c105.876,0.372) R23.1@106.139,0.109
NetD4_2: D4.2 Q3.3 | length 15
  Top Layer w0.2: Q3.3@100.33,0.051 103.032,0.051 D4.2@103.163,-0.08 ; Q3.3@100.76,-0.202 cw(c101.37,-0.812) 101.37,0.051 ; Q3.3@100.76,-0.202 cw(c101.37,-0.812) 101.37,0.051 ; Q3.3@100.76,-0.202 cw(c101.37,-0.812) 101.37,0.051 ; Q3.3@100.76,-0.202 cw(c101.37,-0.812) 101.37,0.051 ; Q3.3@100.76,0.303 ccw(c101.37,0.913) 101.37,0.051 ; Q3.3@100.76,0.303 ccw(c101.37,0.913) 101.37,0.051 ; Q3.3@100.76,0.303 ccw(c101.37,0.913) 101.37,0.051 ; Q3.3@100.76,0.303 ccw(c101.37,0.913) 101.37,0.051 ; 102.124,0.051 cw(c102.124,-1.119) D4.2@102.951,-0.292 ; 102.124,0.051 cw(c102.124,-1.119) D4.2@102.951,-0.292 ; 102.124,0.051 cw(c102.124,-1.119) D4.2@102.951,-0.292 ; 102.124,0.051 cw(c102.124,-1.119) D4.2@102.951,-0.292 ; 102.606,0.051 cw(c102.606,-0.636) D4.2@103.092,-0.15 ; 102.606,0.051 cw(c102.606,-0.636) D4.2@103.092,-0.15 ; 102.606,0.051 cw(c102.606,-0.636) D4.2@103.092,-0.15 ; 102.606,0.051 cw(c102.606,-0.636) D4.2@103.092,-0.15 ; 102.753,0.051 ccw(c102.753,0.33) D4.2@102.951,0.133 ; 102.753,0.051 ccw(c102.753,0.33) D4.2@102.951,0.133 ; 102.753,0.051 ccw(c102.753,0.33) D4.2@102.951,0.133 ; 102.753,0.051 ccw(c102.753,0.33) D4.2@102.951,0.133